# KiCad board MUX.kicad_pcb
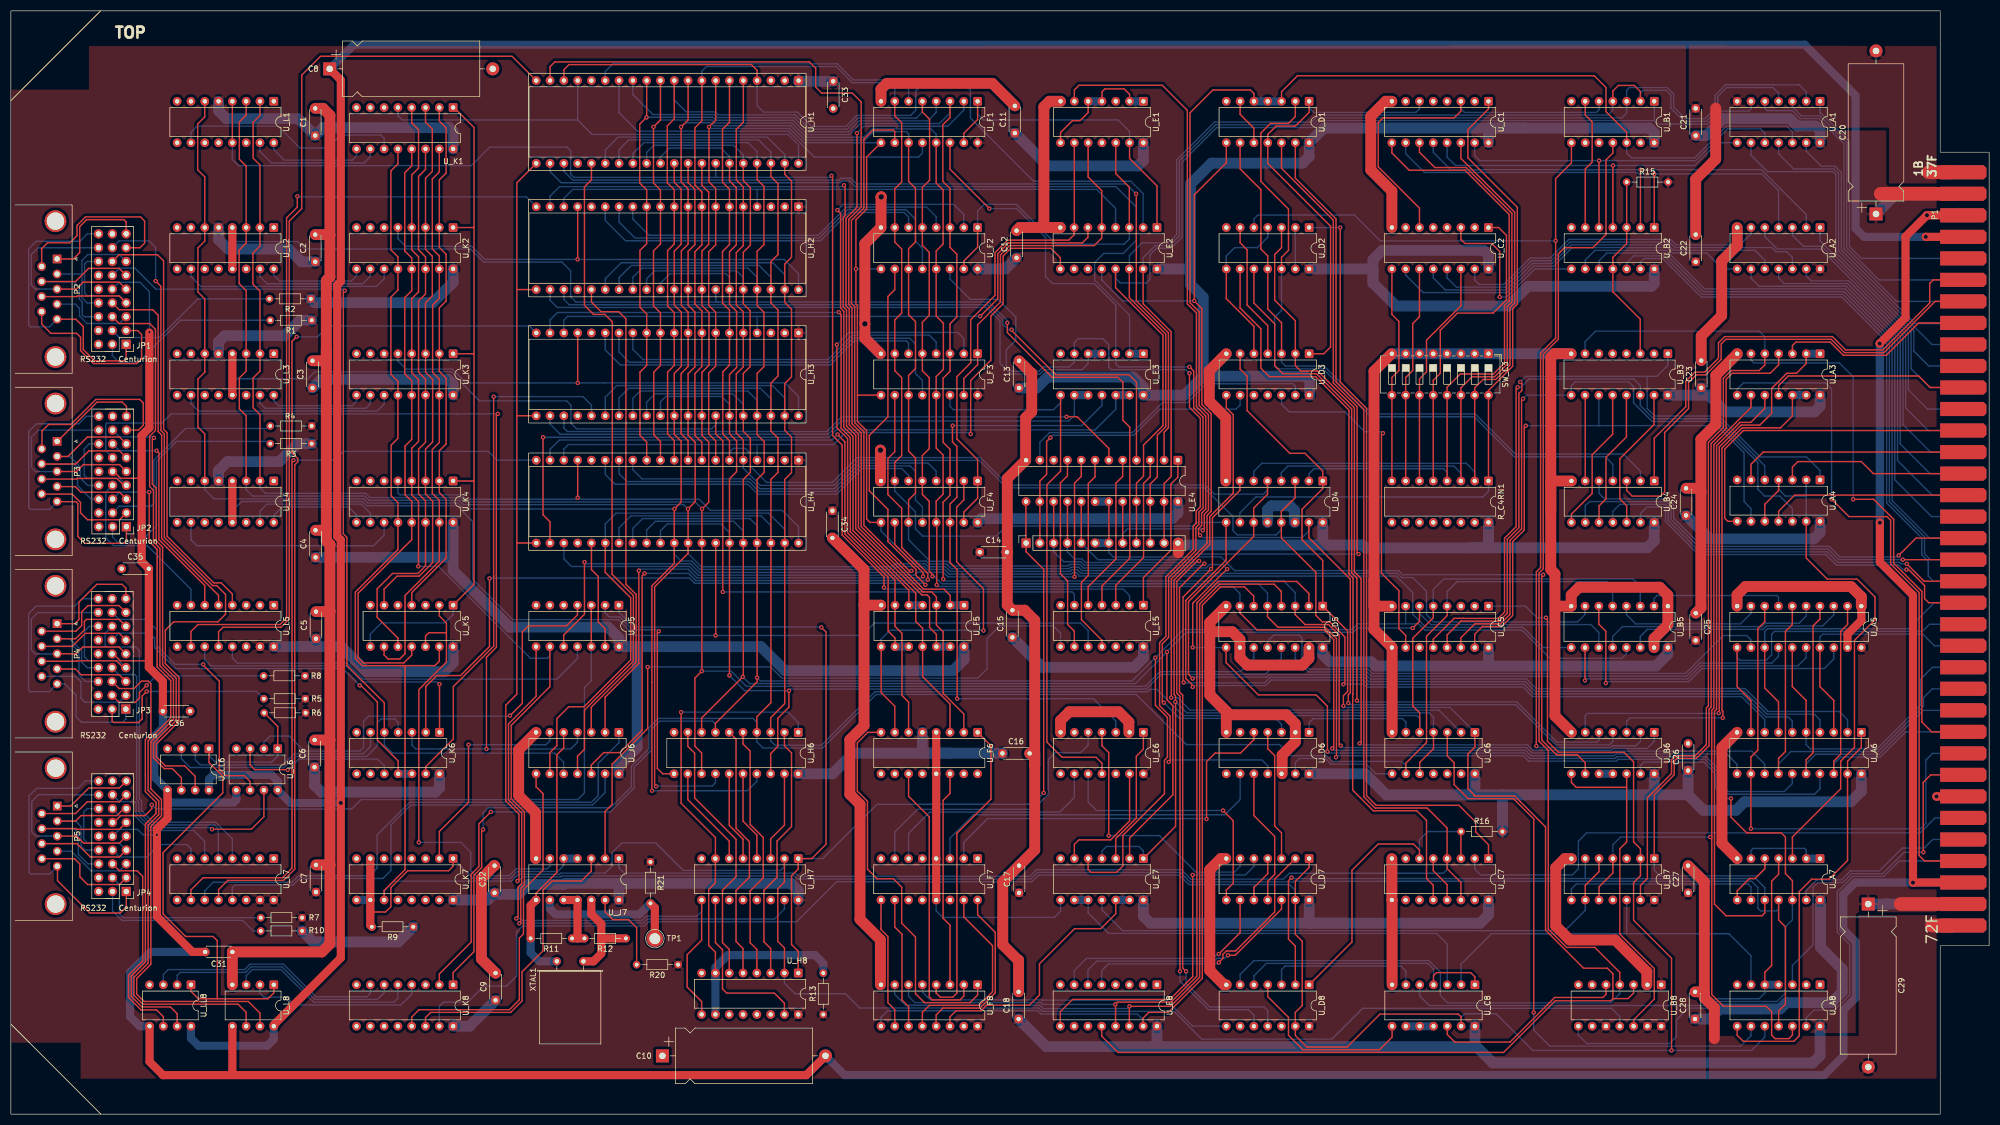
[diagram p0: board, top side]
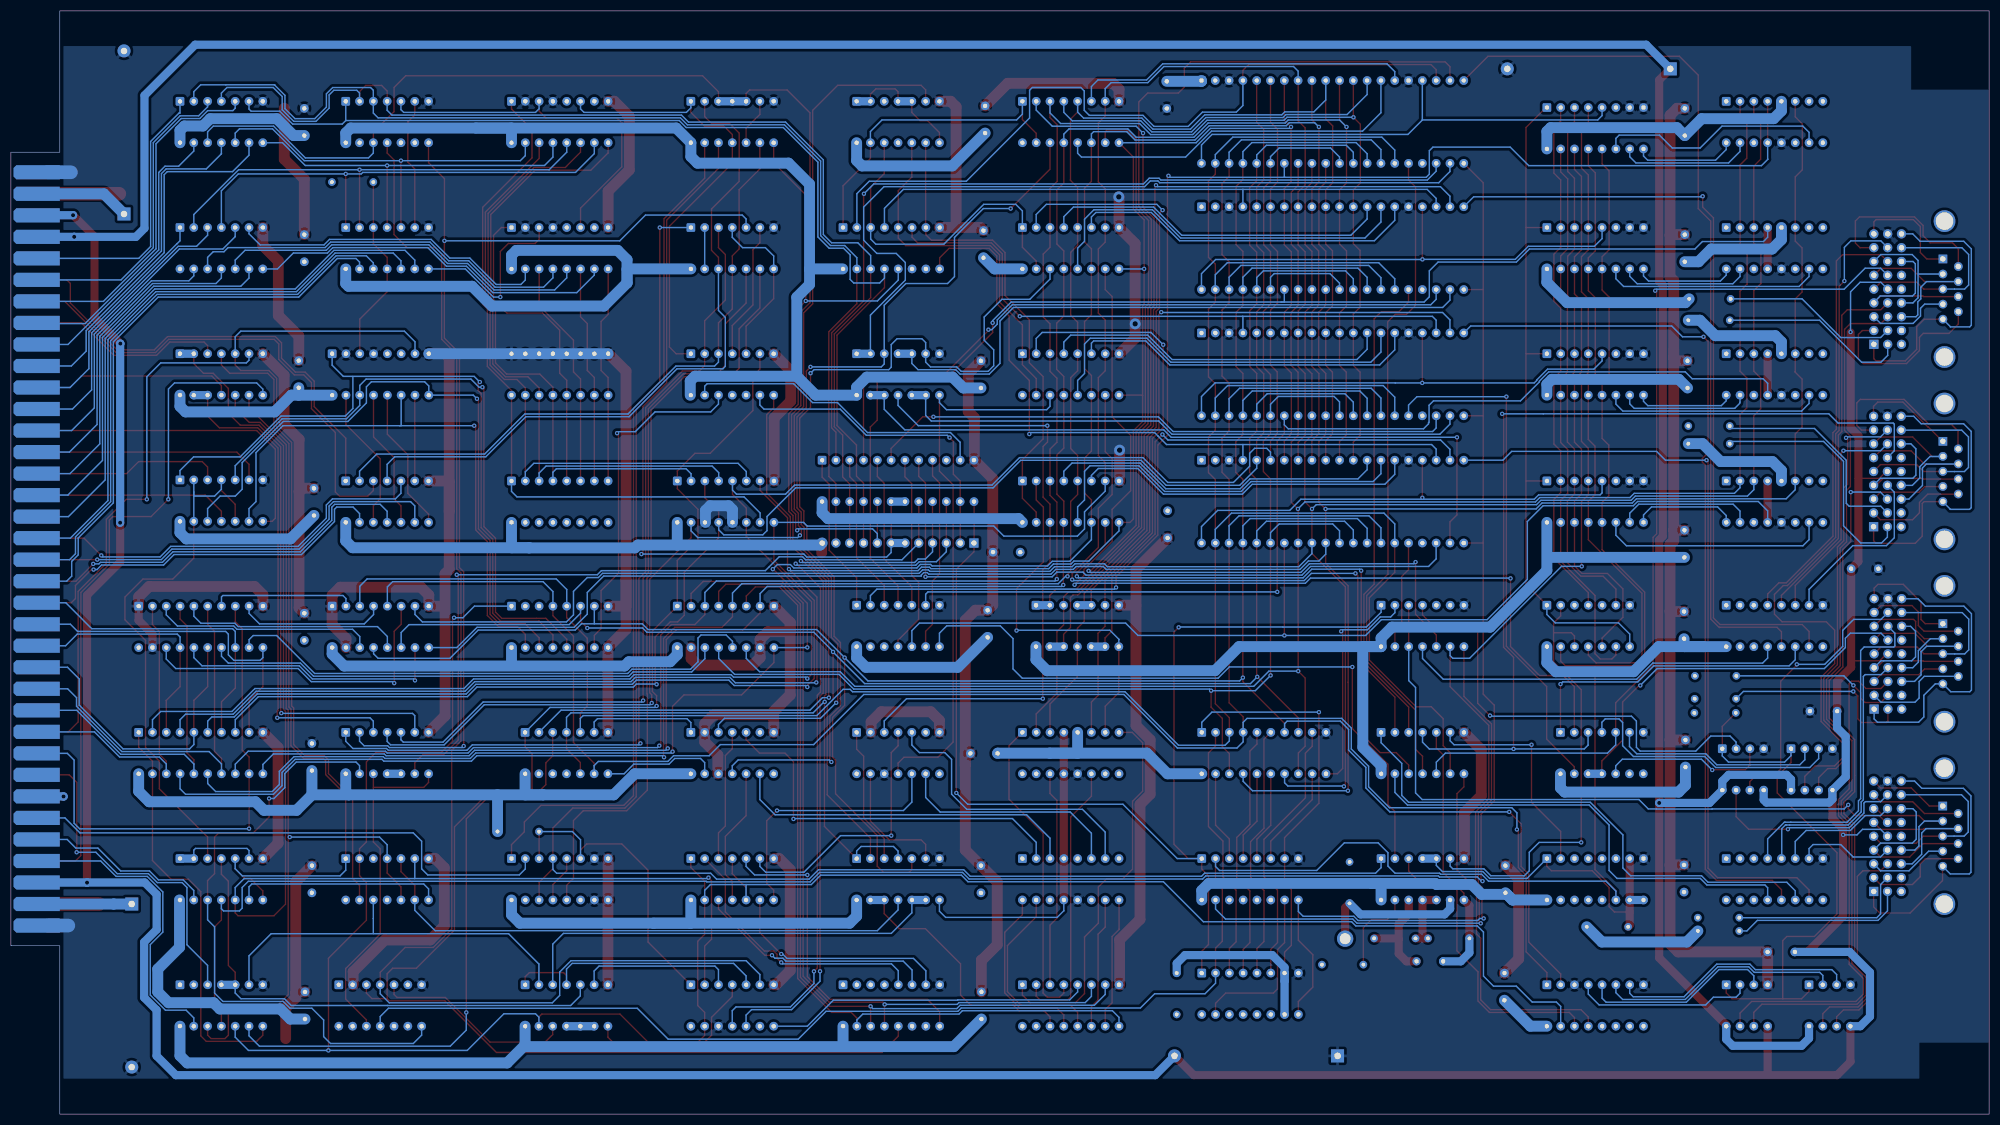
[diagram p1: board, bottom side, seen from below]

Outline 364 x 203 mm; copper layers: Top, In1.Cu (plane), In2.Cu (plane), Bottom. Coordinates in mm from the lower left corner of the outline.
Outline path: 355,177 364,177 364,31 355,31 355,0 0,0 0,203 355,203 closed
Stack: Top 0.035mm / dielectric 0.54mm FR4 er 4.5 / In1.Cu 0.035mm / dielectric 0.54mm FR4 er 4.5 / In2.Cu 0.035mm / dielectric 0.54mm FR4 er 4.5 / Bottom 0.035mm

## Placement (name value [footprint] x y rotation side)
C1  100nF  [C_Disc_D4.3mm_W1.9mm_P5.00mm]  56 180.06 90 top
C2  100nF  [C_Disc_D4.3mm_W1.9mm_P5.00mm]  56 156.84 90 top
C3  100nF  [C_Disc_D4.3mm_W1.9mm_P5.00mm]  55.5 133.61 90 top
C4  100nF  [C_Disc_D4.3mm_W1.9mm_P5.00mm]  56.06 102.44 90 top
C5  100nF  [C_Disc_D4.3mm_W1.9mm_P5.00mm]  56.14 87.47 90 top
C6  100nF  [C_Disc_D4.3mm_W1.9mm_P5.00mm]  55.88 63.84 90 top
C7  100nF  [C_Disc_D4.3mm_W1.9mm_P5.00mm]  56.14 40.86 90 top
C8  1000uF  [CP_Axial_L25.0mm_D10.0mm_P30.00mm_Horizontal]  58.66 192.33 0 top
C9  100nF  [C_Disc_D4.3mm_W1.9mm_P5.00mm]  89.18 20.96 90 top
C10  1000uF  [CP_Axial_L25.0mm_D10.0mm_P30.00mm_Horizontal]  119.89 10.72 0 top
C11  100nF  [C_Disc_D4.3mm_W1.9mm_P5.00mm]  184.74 180.52 90 top
C12  100nF  [C_Disc_D4.3mm_W1.9mm_P5.00mm]  185.04 157.57 90 top
C13  100nF  [C_Disc_D4.3mm_W1.9mm_P5.00mm]  185.5 133.61 90 top
C14  100nF  [C_Disc_D4.3mm_W1.9mm_P5.00mm]  178.29 103.4 0 top
C15  100nF  [C_Disc_D4.3mm_W1.9mm_P5.00mm]  184.28 87.72 90 top
C16  100nF  [C_Disc_D4.3mm_W1.9mm_P5.00mm]  182.45 66.37 0 top
C17  100nF  [C_Disc_D4.3mm_W1.9mm_P5.00mm]  185.5 40.72 90 top
C18  100nF  [C_Disc_D4.3mm_W1.9mm_P5.00mm]  185.42 17.5 90 top
C20  1000uF  [CP_Axial_L25.0mm_D10.0mm_P30.00mm_Horizontal]  343.18 165.63 90 top
C21  100nF  [C_Disc_D4.3mm_W1.9mm_P5.00mm]  310.01 180.06 90 top
C22  100nF  [C_Disc_D4.3mm_W1.9mm_P5.00mm]  310.01 156.84 90 top
C23  100nF  [C_Disc_D4.3mm_W1.9mm_P5.00mm]  311.03 133.66 90 top
C24  100nF  [C_Disc_D4.3mm_W1.9mm_P5.00mm]  308.23 110.16 90 top
C25  100nF  [C_Disc_D4.3mm_W1.9mm_P5.00mm]  310.01 87.17 90 top
C26  100nF  [C_Disc_D4.3mm_W1.9mm_P5.00mm]  308.61 63.21 90 top
C27  100nF  [C_Disc_D4.3mm_W1.9mm_P5.00mm]  308.61 40.72 90 top
C28  100nF  [C_Disc_D4.3mm_W1.9mm_P5.00mm]  309.88 17.5 90 top
C29  1000uF  [CP_Axial_L25.0mm_D10.0mm_P30.00mm_Horizontal]  341.76 38.66 270 top
C31  100nF  [C_Disc_D4.3mm_W1.9mm_P5.00mm]  40.75 29.85 180 top
C32  100nF  [C_Disc_D4.3mm_W1.9mm_P5.00mm]  89 40.72 90 top
C33  100nF  [C_Disc_D4.3mm_W1.9mm_P5.00mm]  151.31 190.04 270 top
C34  100nF  [C_Disc_D4.3mm_W1.9mm_P5.00mm]  151.16 111.02 270 top
C35  100nF  [C_Disc_D4.3mm_W1.9mm_P5.00mm]  20.39 100.36 0 top
C36  100nF  [C_Disc_D4.3mm_W1.9mm_P5.00mm]  32.97 74.14 180 top
JP1  Jumper_3x9_Bridged12  [PinHeader_3x09_P2.54mm_Vertical]  21.21 141.64 180 top
JP2  Jumper_3x9_Bridged12  [PinHeader_3x09_P2.54mm_Vertical]  21.26 108.09 180 top
JP3  Jumper_3x9_Bridged12  [PinHeader_3x09_P2.54mm_Vertical]  21.16 74.52 180 top
JP4  Jumper_3x9_Bridged12  [PinHeader_3x09_P2.54mm_Vertical]  21.24 40.97 180 top
P1  Conn_02x36_Top_Bottom  [BUS_EE200]  355 177 90 top
P2  DB9_Male  [DSUB-9_Male_Horizontal_P2.77x2.84mm_EdgePinOffset4.94mm_Housed_MountingHolesOffset7.48mm]  8.51 157.35 270 top
P3  DB9_Male  [DSUB-9_Male_Horizontal_P2.77x2.84mm_EdgePinOffset4.94mm_Housed_MountingHolesOffset7.48mm]  8.51 123.8 270 top
P4  DB9_Male  [DSUB-9_Male_Horizontal_P2.77x2.84mm_EdgePinOffset4.94mm_Housed_MountingHolesOffset7.48mm]  8.51 90.24 270 top
P5  DB9_Male  [DSUB-9_Male_Horizontal_P2.77x2.84mm_EdgePinOffset4.94mm_Housed_MountingHolesOffset7.48mm]  8.54 56.69 270 top
R1  180  [R_Axial_DIN0204_L3.6mm_D1.6mm_P7.62mm_Horizontal]  55.35 146.08 180 top
R2  1K  [R_Axial_DIN0204_L3.6mm_D1.6mm_P7.62mm_Horizontal]  55.2 150.01 180 top
R3  180  [R_Axial_DIN0204_L3.6mm_D1.6mm_P7.62mm_Horizontal]  55.35 123.37 180 top
R4  1K  [R_Axial_DIN0204_L3.6mm_D1.6mm_P7.62mm_Horizontal]  55.35 126.62 180 top
R5  180  [R_Axial_DIN0204_L3.6mm_D1.6mm_P7.62mm_Horizontal]  54.18 76.43 180 top
R6  1K  [R_Axial_DIN0204_L3.6mm_D1.6mm_P7.62mm_Horizontal]  54.23 73.84 180 top
R7  1K  [R_Axial_DIN0204_L3.6mm_D1.6mm_P7.62mm_Horizontal]  53.6 36.14 180 top
R8  1K  [R_Axial_DIN0204_L3.6mm_D1.6mm_P7.62mm_Horizontal]  54.13 80.65 180 top
R9  1K  [R_Axial_DIN0204_L3.6mm_D1.6mm_P7.62mm_Horizontal]  74.04 34.47 180 top
R10  180  [R_Axial_DIN0204_L3.6mm_D1.6mm_P7.62mm_Horizontal]  53.6 33.71 180 top
R11  330  [R_Axial_DIN0204_L3.6mm_D1.6mm_P7.62mm_Horizontal]  103.25 32.33 180 top
R12  330  [R_Axial_DIN0204_L3.6mm_D1.6mm_P7.62mm_Horizontal]  113.16 32.33 180 top
R13  1K  [R_Axial_DIN0204_L3.6mm_D1.6mm_P7.62mm_Horizontal]  149.48 18.34 90 top
R15  1K  [R_Axial_DIN0204_L3.6mm_D1.6mm_P7.62mm_Horizontal]  297.31 171.5 0 top
R16  1K  [R_Axial_DIN0204_L3.6mm_D1.6mm_P7.62mm_Horizontal]  266.83 51.99 0 top
R20  4.7K  [R_Axial_DIN0204_L3.6mm_D1.6mm_P7.62mm_Horizontal]  122.76 27.51 180 top
R21  4.7K  [R_Axial_DIN0204_L3.6mm_D1.6mm_P7.62mm_Horizontal]  117.68 46.41 270 top
R_C4RN1  1K  [DIP-16_W7.62mm]  271.88 116.5 270 top
SW_C3  SW_DIP_x08  [SW_DIP_SPSTx08_Slide_6.7x21.88mm_W7.62mm_P2.54mm_LowProfile]  271.88 139.91 270 top
TP1  TestPoint  [TestPoint_Plated_Hole_D2.0mm]  118.49 32.28 0 top
U_A1  74LS04  [DIP-14_W7.62mm]  332.88 186.36 270 top
U_A2  74LS04  [DIP-14_W7.62mm]  332.88 163.14 270 top
U_A3  74LS38  [DIP-14_W7.62mm]  332.88 139.91 270 top
U_A4  74LS38  [DIP-14_W7.62mm]  332.88 116.69 270 top
U_A5  74LS240  [DIP-20_W7.62mm]  340.49 93.47 270 top
U_A6  74LS240  [DIP-20_W7.62mm]  340.49 70.25 270 top
U_A7  74LS00  [DIP-14_W7.62mm]  332.88 47.02 270 top
U_A8  74LS04  [DIP-14_W7.62mm]  332.88 23.8 270 top
U_B1  74LS30  [DIP-14_W7.62mm]  302.38 186.36 270 top
U_B2  SN7425  [DIP-14_W7.62mm]  302.38 163.14 270 top
U_B3  74LS85  [DIP-16_W7.62mm]  304.88 139.91 270 top
U_B4  74LS04  [DIP-14_W7.62mm]  302.38 116.5 270 top
U_B5  74LS367  [DIP-16_W7.62mm]  304.88 93.47 270 top
U_B6  74LS00  [DIP-14_W7.62mm]  302.38 70.25 270 top
U_B7  74LS20  [DIP-14_W7.62mm]  302.38 47.02 270 top
U_B8  74LS74  [DIP-14_W7.62mm]  303.66 23.8 270 top
U_C1  74LS85  [DIP-16_W7.62mm]  271.88 186.36 270 top
U_C2  74LS85  [DIP-16_W7.62mm]  271.88 163.14 270 top
U_C5  74LS195  [DIP-16_W7.62mm]  271.88 93.47 270 top
U_C6  74LS00  [DIP-14_W7.62mm]  269.38 70.25 270 top
U_C7  74LS161  [DIP-16_W7.62mm]  271.88 47.02 270 top
U_C8  74LS00  [DIP-14_W7.62mm]  269.38 23.8 270 top
U_D1  74LS10  [DIP-14_W7.62mm]  238.88 186.36 270 top
U_D2  74LS02  [DIP-14_W7.62mm]  238.88 163.14 270 top
U_D3  74LS04  [DIP-14_W7.62mm]  238.88 139.91 270 top
U_D4  74LS367  [DIP-16_W7.62mm]  241.38 116.5 270 top
U_D5  74LS367  [DIP-16_W7.62mm]  241.38 93.47 270 top
U_D6  74LS74  [DIP-14_W7.62mm]  238.88 70.25 270 top
U_D7  74LS08  [DIP-14_W7.62mm]  238.88 47.02 270 top
U_D8  74LS74  [DIP-14_W7.62mm]  238.88 23.8 270 top
U_E1  74LS20  [DIP-14_W7.62mm]  208.38 186.36 270 top
U_E2  74LS42  [DIP-16_W7.62mm]  210.88 163.14 270 top
U_E3  74LS08  [DIP-14_W7.62mm]  208.38 139.91 270 top
U_E4  74LS154  [DIP-24_W7.62mm]  214.73 120.33 270 top
U_E5  74LS04  [DIP-14_W7.62mm]  208.38 93.64 270 top
U_E6  74LS74  [DIP-14_W7.62mm]  208.38 70.25 270 top
U_E7  74LS37  [DIP-14_W7.62mm]  208.38 47.02 270 top
U_E8  74LS42  [DIP-16_W7.62mm]  210.88 23.8 270 top
U_EB4  КР1533ИД3  [PinSocket_1x12_P2.54mm_Vertical]  186.79 105.08 90 top
U_F1  74LS367  [DIP-16_W7.62mm]  177.88 186.36 270 top
U_F2  74LS367  [DIP-16_W7.62mm]  177.88 163.14 270 top
U_F3  74LS367  [DIP-16_W7.62mm]  177.88 139.91 270 top
U_F4  74LS367  [DIP-16_W7.62mm]  177.88 116.5 270 top
U_F5  74LS08  [DIP-14_W7.62mm]  175.38 93.64 270 top
U_F6  74LS75  [DIP-16_W7.62mm]  177.88 70.25 270 top
U_F7  74LS75  [DIP-16_W7.62mm]  177.88 47.02 270 top
U_F8  74LS148  [DIP-16_W7.62mm]  177.88 23.8 270 top
U_H1  IM6402  [DIP-40_W15.24mm_Socket]  144.93 190.19 270 top
U_H2  IM6402  [DIP-40_W15.24mm_Socket]  144.93 166.96 270 top
U_H3  IM6402  [DIP-40_W15.24mm_Socket]  144.93 143.74 270 top
U_H4  IM6402  [DIP-40_W15.24mm_Socket]  144.93 120.33 270 top
U_H6  74LS273  [DIP-20_W7.62mm]  144.88 70.25 270 top
U_H7  74LS161  [DIP-16_W7.62mm]  144.88 47.02 270 top
U_H8  74LS161  [DIP-16_W7.62mm]  144.88 25.96 270 top
U_J5  74LS04  [DIP-14_W7.62mm]  111.88 93.64 270 top
U_J6  74LS04  [DIP-14_W7.62mm]  111.88 70.25 270 top
U_J7  74LS37  [DIP-14_W7.62mm]  111.88 47.02 270 top
U_K1  74LS151  [DIP-16_W7.62mm]  81.38 185.22 270 top
U_K2  74LS151  [DIP-16_W7.62mm]  81.38 163.14 270 top
U_K3  74LS151  [DIP-16_W7.62mm]  81.38 139.91 270 top
U_K4  74LS151  [DIP-16_W7.62mm]  81.38 116.5 270 top
U_K5  74LS393  [DIP-14_W7.62mm]  81.38 93.64 270 top
U_K6  74LS04  [DIP-14_W7.62mm]  78.88 70.25 270 top
U_K7  74LS161  [DIP-16_W7.62mm]  81.38 47.02 270 top
U_K8  74LS259  [DIP-16_W7.62mm]  81.38 23.8 270 top
U_L1  74LS75  [DIP-16_W7.62mm]  48.38 186.36 270 top
U_L2  74LS75  [DIP-16_W7.62mm]  48.38 163.14 270 top
U_L3  74LS75  [DIP-16_W7.62mm]  48.38 139.91 270 top
U_L4  74LS75  [DIP-16_W7.62mm]  48.38 116.5 270 top
U_L5  SN75154  [DIP-16_W7.62mm]  48.38 93.64 270 top
U_L6  SN75150  [DIP-8_W7.62mm]  49.1 67.23 270 top
U_L7  SN75154  [DIP-16_W7.62mm]  48.38 47.02 270 top
U_L8  SN75150  [DIP-8_W7.62mm]  48.38 23.8 270 top
U_LL6  SN75150  [DIP-8_W7.62mm]  36.45 67.23 270 top
U_LL8  SN75150  [DIP-8_W7.62mm]  33.14 23.8 270 top
XTAL1  Crystal  [Crystal_HC49-U_Horizontal]  100.46 28.12 0 top

## Footprints (pads in the part's own frame, mm; a bottom-side part is the same pattern mirrored in y, then rotated)
BUS_EE200
  rrect 2.6x8.5 smd far side: 1(-3.7,-2.25) 2(-7.66,-2.25) 3(-11.62,-2.25) 4(-15.58,-2.25) 5(-19.54,-2.25) 6(-23.5,-2.25) 7(-27.46,-2.25) 8(-31.42,-2.25) 9(-35.38,-2.25) 10(-39.34,-2.25) 11(-43.3,-2.25) 12(-47.26,-2.25) 13(-51.22,-2.25) 14(-55.18,-2.25) 15(-59.14,-2.25) 16(-63.1,-2.25) 17(-67.06,-2.25) 18(-71.02,-2.25) 19(-74.98,-2.25) 20(-78.94,-2.25) 21(-82.9,-2.25) 22(-86.86,-2.25) 23(-90.82,-2.25) 24(-94.78,-2.25) 25(-98.74,-2.25) 26(-102.7,-2.25) 27(-106.66,-2.25) 28(-110.62,-2.25) 29(-114.58,-2.25) 30(-118.54,-2.25) 31(-122.5,-2.25) 32(-126.46,-2.25) 33(-130.42,-2.25) 34(-134.38,-2.25) 35(-138.34,-2.25) 36(-142.3,-2.25)
  rrect 2.6x8.5 smd: 37(-3.7,-2.25) 38(-7.66,-2.25) 39(-11.62,-2.25) 40(-15.58,-2.25) 41(-19.54,-2.25) 42(-23.5,-2.25) 43(-27.46,-2.25) 44(-31.42,-2.25) 45(-35.38,-2.25) 46(-39.34,-2.25) 47(-43.3,-2.25) 48(-47.26,-2.25) 49(-51.22,-2.25) 50(-55.18,-2.25) 51(-59.14,-2.25) 52(-63.1,-2.25) 53(-67.06,-2.25) 54(-71.02,-2.25) 55(-74.98,-2.25) 56(-78.94,-2.25) 57(-82.9,-2.25) 58(-86.86,-2.25) 59(-90.82,-2.25) 60(-94.78,-2.25) 61(-98.74,-2.25) 62(-102.7,-2.25) 63(-106.66,-2.25) 64(-110.62,-2.25) 65(-114.58,-2.25) 66(-118.54,-2.25) 67(-122.5,-2.25) 68(-126.46,-2.25) 69(-130.42,-2.25) 70(-134.38,-2.25) 71(-138.34,-2.25) 72(-142.3,-2.25)
C_Disc_D4.3mm_W1.9mm_P5.00mm
  round 1.6 hole 0.8: 1(0,0) 2(5,0)
CP_Axial_L25.0mm_D10.0mm_P30.00mm_Horizontal
  rect 2.4x2.4 hole 1.2: 1(0,0)
  round 2.4 hole 1.2: 2(30,0)
Crystal_HC49-U_Horizontal
  round 1.5 hole 0.8: 1(0,0) 2(4.9,0)
DIP-8_W7.62mm
  rrect 1.6x1.6 hole 0.8: 1(0,0)
  round 1.6 hole 0.8: 2(0,-2.54) 3(0,-5.08) 4(0,-7.62) 5(7.62,-7.62) 6(7.62,-5.08) 7(7.62,-2.54) 8(7.62,0)
DIP-14_W7.62mm
  rrect 1.6x1.6 hole 0.8: 1(0,0)
  round 1.6 hole 0.8: 2(0,-2.54) 3(0,-5.08) 4(0,-7.62) 5(0,-10.16) 6(0,-12.7) 7(0,-15.24) 8(7.62,-15.24) 9(7.62,-12.7) 10(7.62,-10.16) 11(7.62,-7.62) 12(7.62,-5.08) 13(7.62,-2.54) 14(7.62,0)
DIP-16_W7.62mm
  rrect 1.6x1.6 hole 0.8: 1(0,0)
  round 1.6 hole 0.8: 2(0,-2.54) 3(0,-5.08) 4(0,-7.62) 5(0,-10.16) 6(0,-12.7) 7(0,-15.24) 8(0,-17.78) 9(7.62,-17.78) 10(7.62,-15.24) 11(7.62,-12.7) 12(7.62,-10.16) 13(7.62,-7.62) 14(7.62,-5.08) 15(7.62,-2.54) 16(7.62,0)
DIP-20_W7.62mm
  rrect 1.6x1.6 hole 0.8: 1(0,0)
  round 1.6 hole 0.8: 2(0,-2.54) 3(0,-5.08) 4(0,-7.62) 5(0,-10.16) 6(0,-12.7) 7(0,-15.24) 8(0,-17.78) 9(0,-20.32) 10(0,-22.86) 11(7.62,-22.86) 12(7.62,-20.32) 13(7.62,-17.78) 14(7.62,-15.24) 15(7.62,-12.7) 16(7.62,-10.16) 17(7.62,-7.62) 18(7.62,-5.08) 19(7.62,-2.54) 20(7.62,0)
DIP-24_W7.62mm
  rrect 1.6x1.6 hole 0.8: 1(0,0)
  round 1.6 hole 0.8: 2(0,-2.54) 3(0,-5.08) 4(0,-7.62) 5(0,-10.16) 6(0,-12.7) 7(0,-15.24) 8(0,-17.78) 9(0,-20.32) 10(0,-22.86) 11(0,-25.4) 12(0,-27.94) 13(7.62,-27.94) 14(7.62,-25.4) 15(7.62,-22.86) 16(7.62,-20.32) 17(7.62,-17.78) 18(7.62,-15.24) 19(7.62,-12.7) 20(7.62,-10.16) 21(7.62,-7.62) 22(7.62,-5.08) 23(7.62,-2.54) 24(7.62,0)
DIP-40_W15.24mm_Socket
  rrect 1.6x1.6 hole 0.8: 1(0,0)
  round 1.6 hole 0.8: 2(0,-2.54) 3(0,-5.08) 4(0,-7.62) 5(0,-10.16) 6(0,-12.7) 7(0,-15.24) 8(0,-17.78) 9(0,-20.32) 10(0,-22.86) 11(0,-25.4) 12(0,-27.94) 13(0,-30.48) 14(0,-33.02) 15(0,-35.56) 16(0,-38.1) 17(0,-40.64) 18(0,-43.18) 19(0,-45.72) 20(0,-48.26) 21(15.24,-48.26) 22(15.24,-45.72) 23(15.24,-43.18) 24(15.24,-40.64) 25(15.24,-38.1) 26(15.24,-35.56) 27(15.24,-33.02) 28(15.24,-30.48) 29(15.24,-27.94) 30(15.24,-25.4) 31(15.24,-22.86) 32(15.24,-20.32) 33(15.24,-17.78) 34(15.24,-15.24) 35(15.24,-12.7) 36(15.24,-10.16) 37(15.24,-7.62) 38(15.24,-5.08) 39(15.24,-2.54) 40(15.24,0)
DSUB-9_Male_Horizontal_P2.77x2.84mm_EdgePinOffset4.94mm_Housed_MountingHolesOffset7.48mm
  round 4 hole 3.2: 0(-6.96,-0.3) 0(18.04,-0.3)
  rect 1.6x1.6 hole 1: 1(0,0)
  round 1.6 hole 1: 2(2.77,0) 3(5.54,0) 4(8.31,0) 5(11.08,0) 6(1.385,-2.84) 7(4.155,-2.84) 8(6.925,-2.84) 9(9.695,-2.84)
PinHeader_3x09_P2.54mm_Vertical
  rect 1.7x1.7 hole 1: 1(0,0)
  oval 1.7x1.7 hole 1: 2(2.54,0) 3(5.08,0) 4(0,-2.54) 5(2.54,-2.54) 6(5.08,-2.54) 7(0,-5.08) 8(2.54,-5.08) 9(5.08,-5.08) 10(0,-7.62) 11(2.54,-7.62) 12(5.08,-7.62) 13(0,-10.16) 14(2.54,-10.16) 15(5.08,-10.16) 16(0,-12.7) 17(2.54,-12.7) 18(5.08,-12.7) 19(0,-15.24) 20(2.54,-15.24) 21(5.08,-15.24) 22(0,-17.78) 23(2.54,-17.78) 24(5.08,-17.78) 25(0,-20.32) 26(2.54,-20.32) 27(5.08,-20.32)
PinSocket_1x12_P2.54mm_Vertical
  rect 1.7x1.7 hole 1: 1(0,0)
  round 1.7 hole 1: 2(0,-2.54) 3(0,-5.08) 4(0,-7.62) 5(0,-10.16) 6(0,-12.7) 7(0,-15.24) 8(0,-17.78) 9(0,-20.32) 10(0,-22.86) 11(0,-25.4) 12(0,-27.94)
R_Axial_DIN0204_L3.6mm_D1.6mm_P7.62mm_Horizontal
  round 1.4 hole 0.7: 1(0,0)
  oval 1.4x1.4 hole 0.7: 2(7.62,0)
SW_DIP_SPSTx08_Slide_6.7x21.88mm_W7.62mm_P2.54mm_LowProfile
  rrect 1.6x1.6 hole 0.8: 1(0,0)
  round 1.6 hole 0.8: 2(0,-2.54) 3(0,-5.08) 4(0,-7.62) 5(0,-10.16) 6(0,-12.7) 7(0,-15.24) 8(0,-17.78) 9(7.62,-17.78) 10(7.62,-15.24) 11(7.62,-12.7) 12(7.62,-10.16) 13(7.62,-7.62) 14(7.62,-5.08) 15(7.62,-2.54) 16(7.62,0)
TestPoint_Plated_Hole_D2.0mm
  round 3 hole 2: 1(0,0)

## Nets
+5V: C1.1 C2.1 C3.1 C4.1 C5.1 C6.1 C7.1 C9.1 C11.1 C12.1 C13.1 C14.1 C15.1 C16.1 C17.1 C18.1 C20.1 C21.1 C22.1 C23.1 C24.1 C25.1 C26.1 C27.1 C28.1 C29.1 C32.1 C33.1 C34.1 P1.2 P1.35 P1.38 P1.71 R1.1 R2.1 R3.1 R4.1 R5.1 R6.1 R7.1 R8.1 R9.1 R10.1 R13.1 R15.2 R16.2 R20.1 R21.1 R_C4RN1.16 U_A1.14 U_A2.14 U_A3.14 U_A4.14 U_A5.20 U_A6.20 U_A7.14 U_A8.14 U_B1.14 U_B2.14 U_B3.16 U_B4.14 U_B5.16 U_B6.14 U_B7.14 U_B8.1 U_B8.10 U_B8.13 U_B8.14 U_C1.16 U_C2.16 U_C5.16 U_C6.14 U_C7.16 U_C8.14 U_D1.14 U_D2.14 U_D3.14 U_D4.16 U_D5.16 U_D6.14 U_D7.14 U_D8.14 U_E1.14 U_E2.16 U_E3.14 U_E4.24 U_E5.14 U_E6.14 U_E7.14 U_E8.16 U_EB4.12 U_F1.16 U_F2.16 U_F3.16 U_F4.16 U_F5.14 U_F6.5 U_F7.5 U_F8.16 U_H1.1 U_H2.1 U_H3.1 U_H4.1 U_H6.20 U_H7.16 U_H8.16 U_J5.14 U_J6.14 U_J7.14 U_K1.16 U_K2.16 U_K3.16 U_K4.16 U_K5.14 U_K6.14 U_K7.16 U_K8.16 U_L1.5 U_L2.5 U_L3.5 U_L4.5 U_L5.15 U_L5.16 U_L7.15 U_L7.16
+12V: C8.1 P1.4 P1.40 U_L6.8 U_L8.8 U_LL6.8 U_LL8.8
-12V: C10.2 C31.2 C35.2 C36.2 JP1.14 JP2.14 JP3.14 JP4.14 P1.3 P1.34 P1.39 P1.70 U_L6.5 U_L8.5 U_LL6.5 U_LL8.5
GND: C1.2 C2.2 C3.2 C4.2 C5.2 C6.2 C7.2 C8.2 C9.2 C10.1 C11.2 C12.2 C13.2 C14.2 C15.2 C16.2 C17.2 C18.2 C20.2 C21.2 C22.2 C23.2 C24.2 C25.2 C26.2 C27.2 C28.2 C29.2 C31.1 C32.2 C33.2 C34.2 C35.1 C36.1 JP1.26 JP2.26 JP3.26 JP4.26 P1.1 P1.36 P1.37 P1.72 SW_C3.1 SW_C3.2 SW_C3.3 SW_C3.4 SW_C3.5 SW_C3.6 SW_C3.7 SW_C3.8 U_A1.7 U_A2.7 U_A3.7 U_A4.7 U_A5.1 U_A5.10 U_A5.19 U_A6.10 U_A7.7 U_A8.7 U_B1.7 U_B2.7 U_B3.2 U_B3.4 U_B3.8 U_B4.7 U_B5.1 U_B5.8 U_B5.15 U_B6.7 U_B7.7 U_B8.2 U_B8.7 U_C1.2 U_C1.4 U_C1.8 U_C2.2 U_C2.4 U_C2.8 U_C5.8 U_C5.9 U_C6.7 U_C7.7 U_C7.8 U_C7.9 U_C7.10 U_C8.7 U_D1.7 U_D2.7 U_D3.7 U_D4.8 U_D4.12 U_D4.14 U_D5.8 U_D5.10 U_D5.15 U_D6.2 U_D6.7 U_D6.12 U_D7.7 U_D8.7 U_D8.12 U_E1.7 U_E2.8 U_E3.7 U_E4.12 U_E5.7 U_E6.2 U_E6.7 U_E6.12 U_E7.7 U_E8.8 U_F1.8 U_F2.8 U_F3.8 U_F4.8 U_F5.7 U_F6.12 U_F7.12 U_F8.8 U_H1.3 U_H1.16 U_H2.3 U_H2.16 U_H3.3 U_H3.16 U_H4.3 U_H4.16 U_H6.10 U_H7.8 U_H8.8 U_J5.7 U_J6.7 U_J7.7 U_K1.7 U_K1.8 U_K2.7 U_K2.8 U_K3.7 U_K3.8 U_K4.7 U_K4.8 U_K5.7 U_K6.7 U_K7.8 U_K8.3 U_K8.8 U_L1.12 U_L2.12 U_L3.12 U_L4.12 U_L5.8 U_L6.4 U_L7.8 U_L8.4 U_LL6.4 U_LL8.4
/CausePending: U_B1.11 U_B8.4 U_D8.6
/CommonRead: U_D2.4 U_D2.8 U_D3.5
/CTS_{0}_TTL: U_F1.10 U_J5.10
/CTS_{1}_TTL: U_F2.10 U_K6.2
/CTS_{2}_TTL: U_F3.10 U_J6.12
/CTS_{3}_TTL: U_F4.10 U_J6.2
/Data.InBD_{0}: U_B5.3 U_C5.5 U_C6.5 U_H1.26 U_H1.39 U_H2.26 U_H2.39 U_H3.26 U_H3.39 U_H4.26 U_H4.39 U_H6.3 U_J6.9
/Data.InBD_{1}: U_B5.5 U_C5.4 U_C6.9 U_H1.27 U_H1.38 U_H2.27 U_H2.38 U_H3.27 U_H3.38 U_H4.27 U_H4.38 U_H6.4 U_K8.1
/Data.InBD_{2}: U_B5.13 U_C5.7 U_E7.5 U_H1.28 U_H1.37 U_H2.28 U_H2.37 U_H3.28 U_H3.37 U_H4.28 U_H4.37 U_H6.7 U_K8.2
/Data.InBD_{3}: U_B5.11 U_C5.6 U_E7.2 U_H1.29 U_H1.36 U_H2.29 U_H2.36 U_H3.29 U_H3.36 U_H4.29 U_H4.36 U_H6.8
/Data.InBD_{4}: U_D5.13 U_H1.30 U_H1.35 U_H2.30 U_H2.35 U_H3.30 U_H3.35 U_H4.30 U_H4.35 U_H6.18
/Data.InBD_{5}: U_B5.9 U_H1.31 U_H2.31 U_H3.31 U_H4.31 U_H6.17 U_L1.6 U_L2.6 U_L3.6 U_L4.6
/Data.InBD_{6}: U_B5.7 U_H1.32 U_H2.32 U_H3.32 U_H4.32 U_H6.14 U_L1.3 U_L2.3 U_L3.3 U_L4.3
/Data.InBD_{7}: U_D5.11 U_H1.33 U_H2.33 U_H3.33 U_H4.33 U_H6.13 U_L1.2 U_L2.2 U_L3.2 U_L4.2
/Data.InD_{0}: U_A5.7 U_B5.2
/Data.InD_{1}: U_A5.9 U_B5.4
/Data.InD_{2}: U_A5.3 U_B5.14
/Data.InD_{3}: U_A5.5 U_B5.12
/Data.InD_{4}: U_A5.14 U_D5.14
/Data.InD_{5}: U_A5.16 U_B5.10
/Data.InD_{6}: U_A5.18 U_B5.6
/Data.InD_{7}: U_A5.12 U_D5.12
/Data.OutD_{0}: U_A6.13 U_D5.3 U_F1.3 U_F2.3 U_F3.3 U_F4.3 U_H1.12 U_H2.12 U_H3.12 U_H4.12
/Data.OutD_{1}: U_A6.11 U_D5.7 U_F1.13 U_F2.13 U_F3.13 U_F4.13 U_H1.11 U_H2.11 U_H3.11 U_H4.11
/Data.OutD_{2}: U_A6.17 U_D5.5 U_F1.5 U_F2.5 U_F3.5 U_F4.5 U_H1.10 U_H2.10 U_H3.10 U_H4.10
/Data.OutD_{3}: U_A6.15 U_D5.9 U_F1.11 U_F2.11 U_F3.11 U_F4.11 U_H1.9 U_H2.9 U_H3.9 U_H4.9
/Data.OutD_{4}: U_A6.6 U_D4.9 U_F1.7 U_F2.7 U_F3.7 U_F4.7 U_H1.8 U_H2.8 U_H3.8 U_H4.8
/Data.OutD_{5}: U_A6.4 U_D4.7 U_F1.9 U_F2.9 U_F3.9 U_F4.9 U_H1.7 U_H2.7 U_H3.7 U_H4.7
/Data.OutD_{6}: U_A6.2 U_D4.5 U_D4.11 U_H1.6 U_H2.6 U_H3.6 U_H4.6
/Data.OutD_{7}: U_A6.8 U_D4.3 U_D4.13 U_H1.5 U_H2.5 U_H3.5 U_H4.5
/DirectAddressed: U_C1.6 U_D1.1 U_D1.11 U_D3.1
/ForceTXEInt: U_C6.4 U_C6.10 U_D3.8 U_E7.1 U_E7.4
/FrameF_{0}: U_F1.12 U_H1.14
/FrameF_{1}: U_F2.12 U_H2.14
/FrameF_{2}: U_F3.12 U_H3.14
/FrameF_{3}: U_F4.12 U_H4.14
/INR_OUT: U_A4.2 U_A4.4 U_A4.10 U_A4.13 U_A7.3
/INT_Pending: U_B7.5 U_B7.9 U_E7.11
/INT_Request: U_A3.4 U_A7.5 U_A7.8 U_B7.1
/INTACK: U_A7.4 U_A8.4 U_A8.5 U_C8.5
/LevelAllow: U_A3.5 U_B3.7 U_B7.13
/LoadCR_{0}: U_E5.2 U_H1.34 U_L1.4 U_L1.13
/LoadCR_{1}: U_E5.4 U_H2.34 U_L2.4 U_L2.13
/LoadCR_{2}: U_E5.6 U_H3.34 U_L3.4 U_L3.13
/LoadCR_{3}: U_E5.10 U_H4.34 U_L4.4 U_L4.13
/LoadIPL: U_C5.10 U_D3.12
/MMIO_HSel: U_B1.5 U_C1.3 U_C2.6
/MUX0.~{RxD_INT}: U_F6.1 U_F8.4
/MUX0.~{TxBE_INT}: U_F7.16 U_F8.13
/MUX0.~{TxBE_LCH}: U_D6.5 U_F7.2
/MUX1.~{RxD_INT}: U_F6.14 U_F8.3
/MUX1.~{TxBE_INT}: U_F7.15 U_F8.12
/MUX1.~{TxBE_LCH}: U_D6.9 U_F7.3
/MUX2.~{RxD_INT}: U_F6.11 U_F8.2
/MUX2.~{TxBE_INT}: U_F7.10 U_F8.11
/MUX2.~{TxBE_LCH}: U_E6.9 U_F7.6
/MUX3.~{RxD_INT}: U_F6.8 U_F8.1
/MUX3.~{TxBE_INT}: U_F7.9 U_F8.10
/MUX3.~{TxBE_LCH}: U_E6.5 U_F7.7
/MUXClock: U_B8.11 U_H7.2 U_H8.2 U_K1.12 U_K2.12 U_K3.12 U_K4.12 U_K5.13 U_K7.11
/OverrunF_{0}: U_F1.6 U_H1.15
/OverrunF_{1}: U_F2.6 U_H2.15
/OverrunF_{2}: U_F3.6 U_H3.15
/OverrunF_{3}: U_F4.6 U_H4.15
/ParityF_{0}: U_F1.4 U_H1.13
/ParityF_{1}: U_F2.4 U_H2.13
/ParityF_{2}: U_F3.4 U_H3.13
/ParityF_{3}: U_F4.4 U_H4.13
/Phase1: U_C7.4 U_C7.14 U_D1.13 U_J7.1
/Phase2: U_C7.5 U_C7.13
/Phase3: U_C7.12 U_D2.9
/Read: U_B4.2 U_D1.9 U_D2.11 U_D3.3
/Reset: U_A7.11 U_A8.11 U_H1.21 U_H2.21 U_H3.21 U_H4.21
/RTS0_TTL: U_K8.4 U_L8.2
/RTS1_TTL: U_K8.5 U_L8.3
/RTS2_TTL: U_K8.6 U_LL8.2
/RTS3_TTL: U_K8.7 U_LL8.3
/RX_{0}_IN: U_H1.20 U_L5.12
/RX_{1}_IN: U_H2.20 U_L5.10
/RX_{2}_IN: U_H3.20 U_L7.12
/RX_{3}_IN: U_H4.20 U_L7.10
/RxD_{0}: U_F1.2 U_F5.3 U_F6.2
/RxD_{1}: U_F2.2 U_F5.11 U_F6.3
/RxD_{2}: U_F3.2 U_F5.6 U_F6.6
/RxD_{3}: U_F4.2 U_F5.8 U_F6.7
/SysA_{0}: U_A1.2 U_B1.3 U_E2.15 U_E4.23 U_EB4.11
/SysA_{1}: U_A1.4 U_B1.2 U_B1.4 U_E2.14 U_E4.22 U_EB4.10
/SysA_{2}: U_A1.6 U_B1.1 U_E2.13 U_E4.21 U_EB4.9
/SysA_{3}: U_A1.12 U_B1.12 U_D1.3 U_D1.4 U_D1.5 U_E4.20 U_EB4.8
/TX_{0}_OUT: U_H1.25 U_J6.11
/TX_{0}_TTL: U_K6.6 U_LL6.2
/TX_{1}_OUT: U_H2.25 U_J6.3
/TX_{1}_TTL: U_K6.4 U_LL6.3
/TX_{2}_OUT: U_H3.25 U_K6.13
/TX_{2}_TTL: U_K6.10 U_L6.3
/TX_{3}_OUT: U_H4.25 U_J5.13
/TX_{3}_TTL: U_J5.4 U_L6.2
/TxBE_{0}: U_D6.3 U_E3.3 U_F1.14
/TxBE_{1}: U_D6.11 U_E3.6 U_F2.14
/TxBE_{2}: U_E3.8 U_E6.11 U_F3.14
/TxBE_{3}: U_E3.11 U_E6.3 U_F4.14
/Write: U_B4.4 U_D1.2 U_D2.12
/~{CauseHold}: U_E7.8 U_F6.4 U_F6.13 U_F7.4 U_F7.13
/~{CommonAddressed}: U_B1.8 U_B6.2 U_D2.5